# Altium PCB Hydrophone2012.PcbDoc (part 1 of 3) (continued)
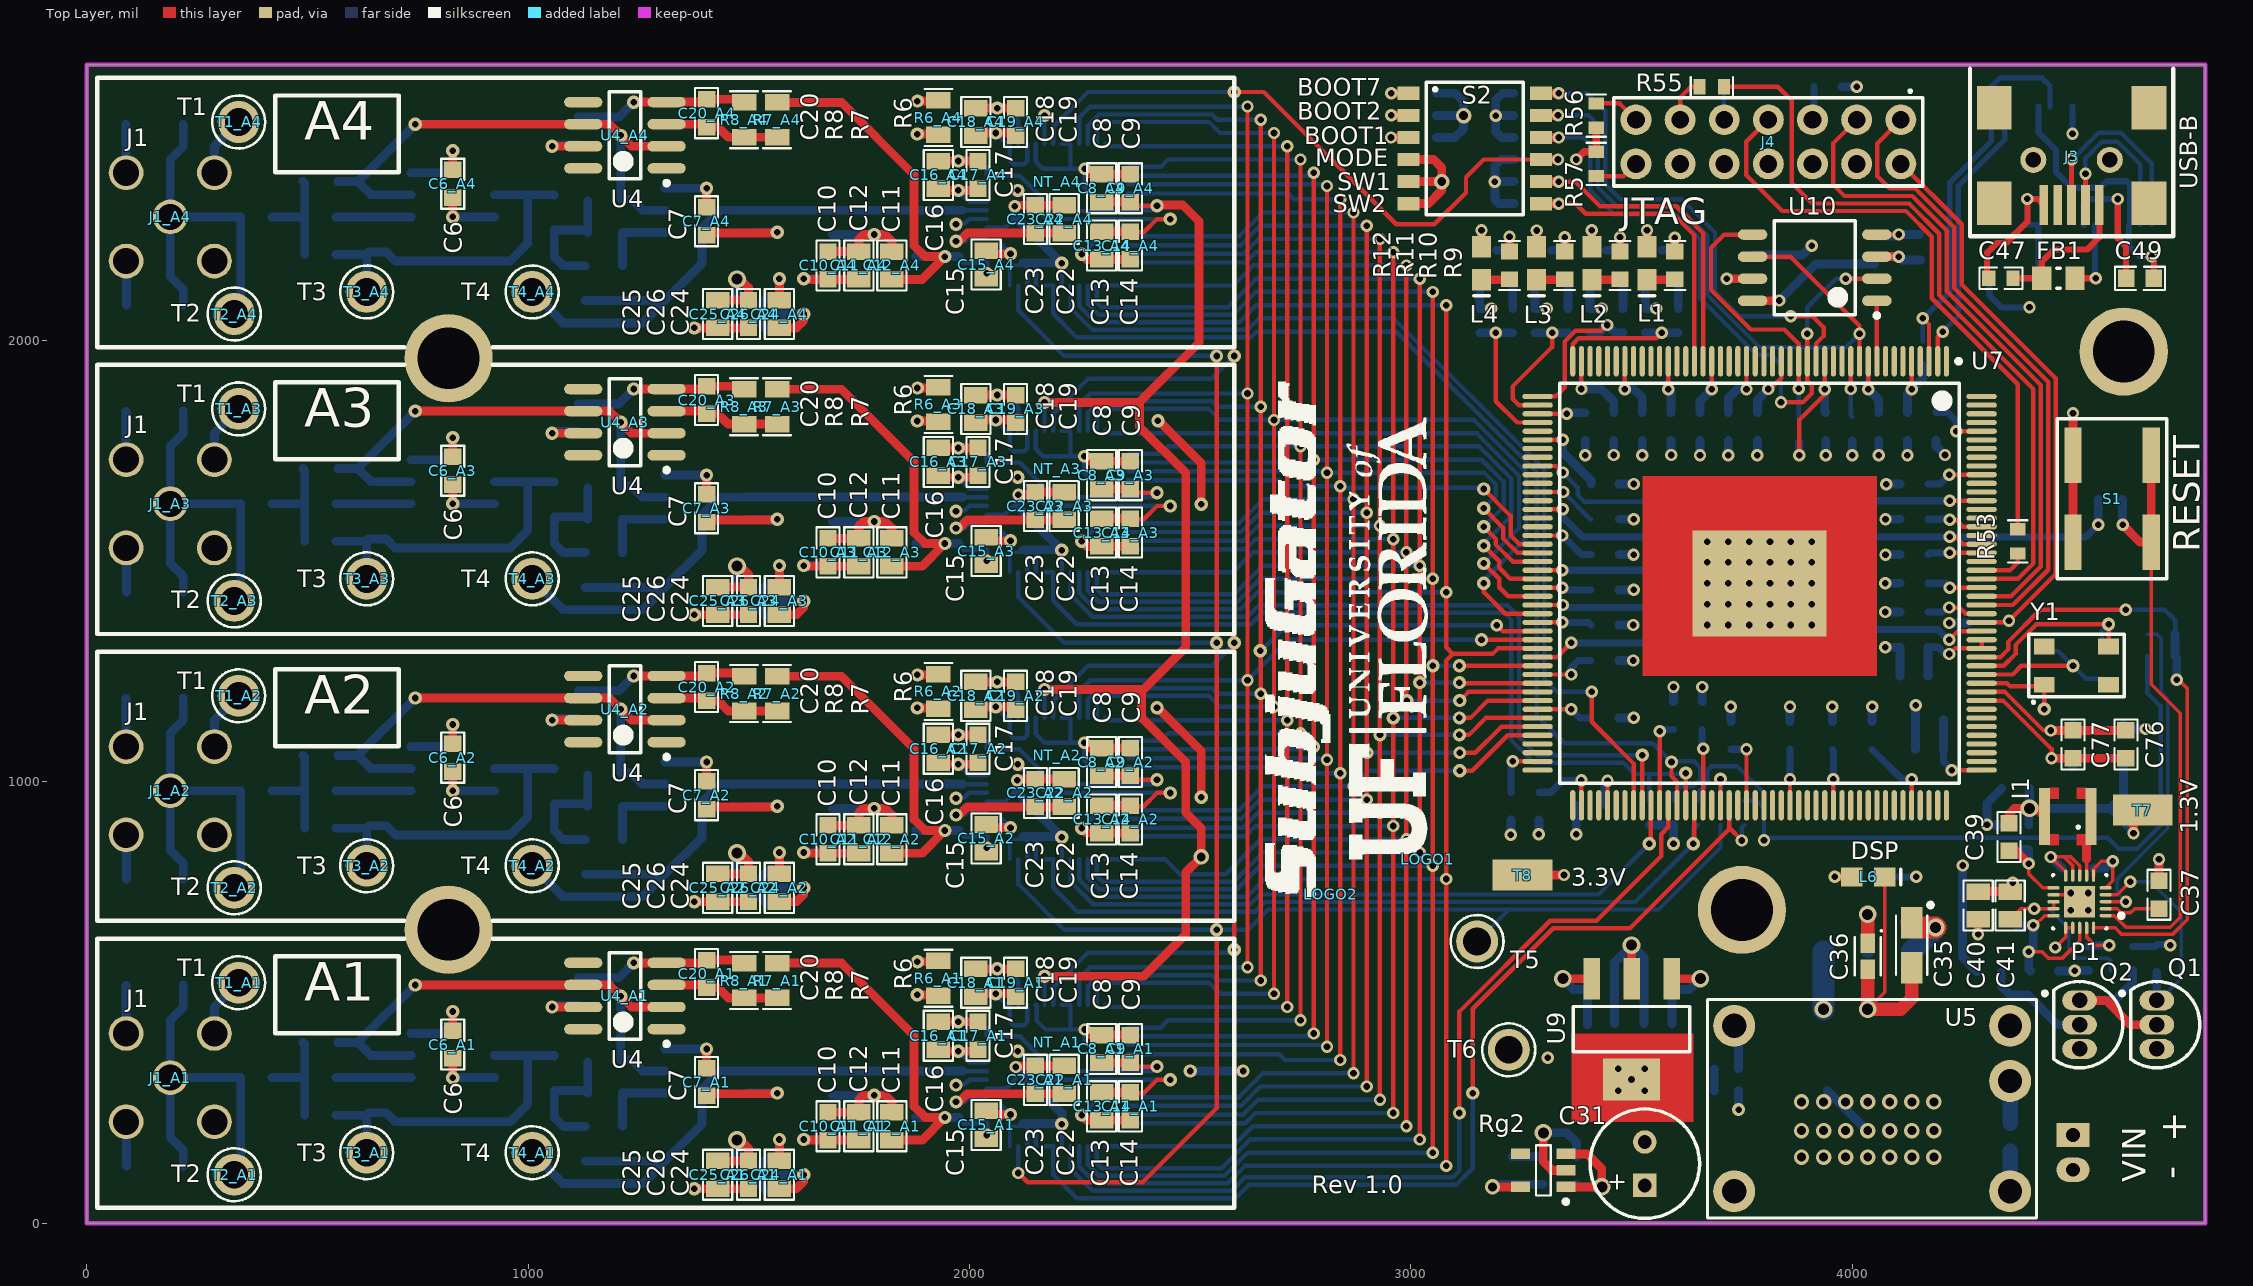
[diagram p0: Top Layer view]
## Components (designator, comment, footprint, x,y, rotation, side; value= is the part's Value field where it differs from the comment)
A_A1 "AD7612" "LQFP-48N - ADC" 2199.5,335 r270 bottom (schematic designator A)
A_A2 "AD7612" "LQFP-48N - ADC" 2199.5,985 r270 bottom (schematic designator A)
A_A3 "AD7612" "LQFP-48N - ADC" 2199.5,1635 r270 bottom (schematic designator A)
A_A4 "AD7612" "LQFP-48N - ADC" 2199.5,2285 r270 bottom (schematic designator A)
C1_A1 "470pF" CAPC2012XN 529.5,245 r0 bottom (schematic designator C1)
C1_A2 "470pF" CAPC2012XN 529.5,895 r0 bottom (schematic designator C1)
C1_A3 "470pF" CAPC2012XN 529.5,1545 r0 bottom (schematic designator C1)
C1_A4 "470pF" CAPC2012XN 529.5,2195 r0 bottom (schematic designator C1)
C2_A1 "330pF" CAPC2012XN 1209.5,180 r90 bottom (schematic designator C2)
C2_A2 "330pF" CAPC2012XN 1209.5,830 r90 bottom (schematic designator C2)
C2_A3 "330pF" CAPC2012XN 1209.5,1480 r90 bottom (schematic designator C2)
C2_A4 "330pF" CAPC2012XN 1209.5,2130 r90 bottom (schematic designator C2)
C3_A1 "10nF" CAPC2012XN 384.5,330 r0 bottom (schematic designator C3)
C3_A2 "10nF" CAPC2012XN 384.5,980 r0 bottom (schematic designator C3)
C3_A3 "10nF" CAPC2012XN 384.5,1630 r0 bottom (schematic designator C3)
C3_A4 "10nF" CAPC2012XN 384.5,2280 r0 bottom (schematic designator C3)
C4_A1 "3.3nF" CAPC2012XN 529.5,330 r0 bottom (schematic designator C4)
C4_A2 "3.3nF" CAPC2012XN 529.5,980 r0 bottom (schematic designator C4)
C4_A3 "3.3nF" CAPC2012XN 529.5,1630 r0 bottom (schematic designator C4)
C4_A4 "3.3nF" CAPC2012XN 529.5,2280 r0 bottom (schematic designator C4)
C5_A1 "6.8n" CAPC2012XN 1174.5,370 r0 bottom (schematic designator C5)
C5_A2 "6.8n" CAPC2012XN 1174.5,1020 r0 bottom (schematic designator C5)
C5_A3 "6.8n" CAPC2012XN 1174.5,1670 r0 bottom (schematic designator C5)
C5_A4 "6.8n" CAPC2012XN 1174.5,2320 r0 bottom (schematic designator C5)
C6_A1 ".1uF" CAPC1608XN 829.5,405 r90 top (schematic designator C6)
C6_A2 ".1uF" CAPC1608XN 829.5,1055 r90 top (schematic designator C6)
C6_A3 ".1uF" CAPC1608XN 829.5,1705 r90 top (schematic designator C6)
C6_A4 ".1uF" CAPC1608XN 829.5,2355 r90 top (schematic designator C6)
C7_A1 ".1uF" CAPC1608XN 1404.5,320 r270 top (schematic designator C7)
C7_A2 ".1uF" CAPC1608XN 1404.5,970 r270 top (schematic designator C7)
C7_A3 ".1uF" CAPC1608XN 1404.5,1620 r270 top (schematic designator C7)
C7_A4 ".1uF" CAPC1608XN 1404.5,2270 r270 top (schematic designator C7)
C8_A1 "10uF" CAPC2012XL 2299.5,395 r270 top (schematic designator C8)
C8_A2 "10uF" CAPC2012XL 2299.5,1045 r270 top (schematic designator C8)
C8_A3 "10uF" CAPC2012XL 2299.5,1695 r270 top (schematic designator C8)
C8_A4 "10uF" CAPC2012XL 2299.5,2345 r270 top (schematic designator C8)
C9_A1 ".1uF" CAPC1608XN 2364.5,395 r270 top (schematic designator C9)
C9_A2 ".1uF" CAPC1608XN 2364.5,1045 r270 top (schematic designator C9)
C9_A3 ".1uF" CAPC1608XN 2364.5,1695 r270 top (schematic designator C9)
C9_A4 ".1uF" CAPC1608XN 2364.5,2345 r270 top (schematic designator C9)
C10_A1 ".1uF" CAPC1608XN 1679.5,220 r90 top (schematic designator C10)
C10_A2 ".1uF" CAPC1608XN 1679.5,870 r90 top (schematic designator C10)
C10_A3 ".1uF" CAPC1608XN 1679.5,1520 r90 top (schematic designator C10)
C10_A4 ".1uF" CAPC1608XN 1679.5,2170 r90 top (schematic designator C10)
C11_A1 "10uF" CAPC2012XL 1749.5,220 r270 top (schematic designator C11)
C11_A2 "10uF" CAPC2012XL 1749.5,870 r270 top (schematic designator C11)
C11_A3 "10uF" CAPC2012XL 1749.5,1520 r270 top (schematic designator C11)
C11_A4 "10uF" CAPC2012XL 1749.5,2170 r270 top (schematic designator C11)
C12_A1 "10uF" CAPC2012XL 1824.5,220 r270 top (schematic designator C12)
C12_A2 "10uF" CAPC2012XL 1824.5,870 r270 top (schematic designator C12)
C12_A3 "10uF" CAPC2012XL 1824.5,1520 r270 top (schematic designator C12)
C12_A4 "10uF" CAPC2012XL 1824.5,2170 r270 top (schematic designator C12)
C13_A1 "10uF" CAPC2012XL 2299.5,265 r90 top (schematic designator C13)
C13_A2 "10uF" CAPC2012XL 2299.5,915 r90 top (schematic designator C13)
C13_A3 "10uF" CAPC2012XL 2299.5,1565 r90 top (schematic designator C13)
C13_A4 "10uF" CAPC2012XL 2299.5,2215 r90 top (schematic designator C13)
C14_A1 ".1uF" CAPC1608XN 2364.5,265 r90 top (schematic designator C14)
C14_A2 ".1uF" CAPC1608XN 2364.5,915 r90 top (schematic designator C14)
C14_A3 ".1uF" CAPC1608XN 2364.5,1565 r90 top (schematic designator C14)
C14_A4 ".1uF" CAPC1608XN 2364.5,2215 r90 top (schematic designator C14)
C15_A1 "47uF Tantalum" CAPC2012XL 2038,223 r270 top (schematic designator C15)
C15_A2 "47uF Tantalum" CAPC2012XL 2038,872 r270 top (schematic designator C15)
C15_A3 "47uF Tantalum" CAPC2012XL 2038,1523 r270 top (schematic designator C15)
C15_A4 "47uF Tantalum" CAPC2012XL 2038,2172 r270 top (schematic designator C15)
C16_A1 "10uF" CAPC2012XL 1929.5,425 r270 top (schematic designator C16)
C16_A2 "10uF" CAPC2012XL 1929.5,1075 r270 top (schematic designator C16)
C16_A3 "10uF" CAPC2012XL 1929.5,1725 r270 top (schematic designator C16)
C16_A4 "10uF" CAPC2012XL 1929.5,2375 r270 top (schematic designator C16)
C17_A1 ".1uF" CAPC1608XN 2019.5,425 r270 top (schematic designator C17)
C17_A2 ".1uF" CAPC1608XN 2019.5,1075 r270 top (schematic designator C17)
C17_A3 ".1uF" CAPC1608XN 2019.5,1725 r270 top (schematic designator C17)
C17_A4 ".1uF" CAPC1608XN 2019.5,2375 r270 top (schematic designator C17)
C18_A1 "10uF" CAPC2012XL 2014.5,545 r90 top (schematic designator C18)
C18_A2 "10uF" CAPC2012XL 2014.5,1195 r90 top (schematic designator C18)
C18_A3 "10uF" CAPC2012XL 2014.5,1845 r90 top (schematic designator C18)
C18_A4 "10uF" CAPC2012XL 2014.5,2495 r90 top (schematic designator C18)
C19_A1 ".1uF" CAPC1608XN 2104.5,545 r90 top (schematic designator C19)
C19_A2 ".1uF" CAPC1608XN 2104.5,1195 r90 top (schematic designator C19)
C19_A3 ".1uF" CAPC1608XN 2104.5,1845 r90 top (schematic designator C19)
C19_A4 ".1uF" CAPC1608XN 2104.5,2495 r90 top (schematic designator C19)
C20_A1 ".1uF" CAPC1608XN 1404.5,565 r270 top (schematic designator C20)
C20_A2 ".1uF" CAPC1608XN 1404.5,1215 r270 top (schematic designator C20)
C20_A3 ".1uF" CAPC1608XN 1404.5,1865 r270 top (schematic designator C20)
C20_A4 ".1uF" CAPC1608XN 1404.5,2515 r270 top (schematic designator C20)
C21_A1 ".1uF" CAPC1608XN 1114.5,525 r90 bottom (schematic designator C21)
C21_A2 ".1uF" CAPC1608XN 1114.5,1175 r90 bottom (schematic designator C21)
C21_A3 ".1uF" CAPC1608XN 1114.5,1825 r90 bottom (schematic designator C21)
C21_A4 ".1uF" CAPC1608XN 1114.5,2475 r90 bottom (schematic designator C21)
C22_A1 "10uF" CAPC2012XL 2214.5,325 r270 top (schematic designator C22)
C22_A2 "10uF" CAPC2012XL 2214.5,975 r270 top (schematic designator C22)
C22_A3 "10uF" CAPC2012XL 2214.5,1625 r270 top (schematic designator C22)
C22_A4 "10uF" CAPC2012XL 2214.5,2275 r270 top (schematic designator C22)
C23_A1 ".1uF" CAPC1608XN 2149.5,325 r270 top (schematic designator C23)
C23_A2 ".1uF" CAPC1608XN 2149.5,975 r270 top (schematic designator C23)
C23_A3 ".1uF" CAPC1608XN 2149.5,1625 r270 top (schematic designator C23)
C23_A4 ".1uF" CAPC1608XN 2149.5,2275 r270 top (schematic designator C23)
C24_A1 "10uF" CAPC2012XL 1569.5,110 r90 top (schematic designator C24)
C24_A2 "10uF" CAPC2012XL 1569.5,760 r90 top (schematic designator C24)
C24_A3 "10uF" CAPC2012XL 1569.5,1410 r90 top (schematic designator C24)
C24_A4 "10uF" CAPC2012XL 1569.5,2060 r90 top (schematic designator C24)
C25_A1 "10uF" CAPC2012XL 1429.5,110 r90 top (schematic designator C25)
C25_A2 "10uF" CAPC2012XL 1429.5,760 r90 top (schematic designator C25)
C25_A3 "10uF" CAPC2012XL 1429.5,1410 r90 top (schematic designator C25)
C25_A4 "10uF" CAPC2012XL 1429.5,2060 r90 top (schematic designator C25)
C26_A1 ".1uF" CAPC1608XN 1499.5,110 r90 top (schematic designator C26)
C26_A2 ".1uF" CAPC1608XN 1499.5,760 r90 top (schematic designator C26)
C26_A3 ".1uF" CAPC1608XN 1499.5,1410 r90 top (schematic designator C26)
C26_A4 ".1uF" CAPC1608XN 1499.5,2060 r90 top (schematic designator C26)
C27 "10uF" CAPC2012XL 3375,120 r270 bottom
C28 "10uF" CAPC2012XL 3300,120 r270 bottom
C29 ".1uF" CAPC1608XN 3230,120 r270 bottom
C30 "2.2uF" CAPC2012XL 4357.5,195 r90 bottom
C31 "150uF" CAPPR2.5-6.3x11 3530,135 r90 top
C32 "10uF" CAPC2012XL 4515,805 r180 bottom
C33 "2.2uF" CAPC1608XN 4363.31,715 r270 bottom
C34 "2.2uF" CAPC1608XN 4435,571.54 r180 bottom
C35 "10uF Tant  1206" CAPMP3216XN 4134.49,630 r270 top
C36 "10uF Tant" CAPMP2012XL 4035,605 r270 top
C37 ".1uF" CAPC1608XN 4695,744.25 r90 top
C38 "10uF" CAPC2012XL 4370,985 r0 bottom
C39 "22pF" CAPC1608XN 4355,875 r90 top
C40 "10uF" CAPC2012XL 4285,720 r270 top
C41 "10uF" CAPC2012XL 4357.5,720 r270 top
C42 "47uF Tant" CAPMP2012XL 3560,450 r180 bottom
C43 "47uF Tant" CAPMP2012XL 3430,450 r0 bottom
C44 ".1uF" CAPC1608XN 3560,530 r0 bottom
C45 ".1uF" CAPC1608XN 3430,530 r180 bottom
C46 "13pF" CAPC2012XL 4440,1265 r270 bottom
C47 ".01uF" CAPC1608XL 4336.8,2140.86 r0 top
C48 "13pF" CAPC2012XL 4565,1265 r90 bottom
C49 ".1uF" CAPC1608XN 4651.8,2140.86 r0 top
C50 ".1uF" CAPC1608XN 4341.8,2140.86 r180 bottom
C51 "1uF" CAPC1608XN 4473.41,2140.86 r0 bottom
C52 ".1uF" CAPC1608XN 4190,1805 r90 bottom
C53 ".1uF" CAPC1608XN 3940,1805 r90 bottom
C54 ".1uF" CAPC1608XN 3719.13,1805 r90 bottom
C55 ".1uF" CAPC1608XN 3589.53,1805 r90 bottom
C56 ".1uF" CAPC1608XN 3459.53,1805 r90 bottom
C57 ".1uF" CAPC1608XN 3395,1805 r90 bottom
C58 ".1uF" CAPC1608XN 3570,1635 r180 bottom
C59 ".1uF" CAPC1608XN 3570,1555 r180 bottom
C60 ".1uF" CAPC1608XN 4140,1385 r0 bottom
C61 ".1uF" CAPC1608XN 4125,1805 r90 bottom
C62 ".1uF" CAPC1608XN 3570,1475 r180 bottom
C63 ".1uF" CAPC1608XN 3440,1355.51 r180 bottom
C64 ".1uF" CAPC1608XN 3570,1315 r180 bottom
C65 ".1uF" CAPC1608XN 3440,1145 r180 bottom
C66 ".1uF" CAPC1608XN 3226.65,945 r90 bottom
C67 ".1uF" CAPC1608XN 3595,1150 r270 bottom
C68 ".1uF" CAPC1608XN 4140,1515 r0 bottom
C69 ".1uF" CAPC1608XN 3290,945 r90 bottom
C70 ".1uF" CAPC1608XN 3725,1105.51 r270 bottom
C71 ".1uF" CAPC1608XN 3955,1105 r270 bottom
C72 ".1uF" CAPC1608XN 4045,1105 r270 bottom
C73 ".1uF" CAPC1608XN 4010,1635 r0 bottom
C74 ".1uF" CAPC1608XN 3440,1275 r180 bottom
C75 ".01uF" CAPC1608XN 3406.14,947.05 r0 bottom
C76 ".1uF" CAPC1608XN 4620,1085 r270 top
C77 ".01uF" CAPC1608XN 4500,1085 r270 top
C78 ".1uF" CAPC1608XN 4060,1805 r90 bottom
C79 ".1uF" CAPC1608XN 3785,1805 r90 bottom
C80 ".1uF" CAPC1608XN 3655,1805 r90 bottom
C81 ".1uF" CAPC1608XN 3524.25,1805 r90 bottom
C82 ".1uF" CAPC1608XN 3440,1675 r180 bottom
C83 ".1uF" CAPC1608XN 3440.51,1595 r180 bottom
C84 ".1uF" CAPC1608XN 3440.51,1515 r180 bottom
C85 ".1uF" CAPC1608XN 3570,1395 r180 bottom
C86 ".1uF" CAPC1608XN 4140,1240 r0 bottom
C87 ".01uF" CAPC1608XN 4140,1305 r0 bottom
C88 ".1uF" CAPC1608XN 4050.75,2205 r90 bottom
C89 ".1uF" CAPC1608XN 3440,1435 r180 bottom
C90 ".1uF" CAPC1608XN 3660,1150 r270 bottom
C91 ".1uF" CAPC1608XN 3858.9,1105.51 r270 bottom
C92 ".1uF" CAPC1608XN 4140,1674.69 r0 bottom
C93 ".1uF" CAPC1608XN 4010,1345 r0 bottom
C94 ".1uF" CAPC1608XN 4140,1450 r0 bottom
C95 ".1uF" CAPC1608XN 4010,1555 r0 bottom
C96 ".1uF" CAPC1608XN 4140,1595 r0 bottom
C97 ".1uF" CAPC1608XN 3945,2575 r180 bottom
C98 ".1uF" CAPC1608XN 4175,1140 r0 bottom
C99 ".01uF" CAPC1608XN 4175,1074.02 r0 bottom
D1_A1 "1N4148" MCC-SOD123 154.5,530 r0 bottom (schematic designator D1)
D1_A2 "1N4148" MCC-SOD123 154.5,1180 r0 bottom (schematic designator D1)
D1_A3 "1N4148" MCC-SOD123 154.5,1830 r0 bottom (schematic designator D1)
D1_A4 "1N4148" MCC-SOD123 154.5,2480 r0 bottom (schematic designator D1)
D2_A1 "1N4148" MCC-SOD123 154.5,130 r180 bottom (schematic designator D2)
D2_A2 "1N4148" MCC-SOD123 154.5,780 r180 bottom (schematic designator D2)
D2_A3 "1N4148" MCC-SOD123 154.5,1430 r180 bottom (schematic designator D2)
D2_A4 "1N4148" MCC-SOD123 154.5,2080 r180 bottom (schematic designator D2)
FB1 "FERRITE" RESC2012X06N/0805 4466.8,2140.86 r0 top
FB2 "FERRITE 50" RESC3116X06N/1206 4557.44,1035 r0 bottom
FB3 "FERRITE 50" RESC3116X06N/1206 4557.44,1130 r0 bottom
I1 "2.2H" LPS3015 4435.83,921.5 r180 top
J1_A1 "MCX_Female_RA" MCX_Female 189.5,330 r0 top (schematic designator J1)
J1_A2 "MCX_Female_RA" MCX_Female 189.5,980 r0 top (schematic designator J1)
J1_A3 "MCX_Female_RA" MCX_Female 189.5,1630 r0 top (schematic designator J1)
J1_A4 "MCX_Female_RA" MCX_Female 189.5,2280 r0 top (schematic designator J1)
J2 "2-pin Horz Sherlock" MOLEX-HDR-1X2-SHERLOCK-HORZ 4500,200.07 r90 bottom
J3 "USB-B" USB-MiniB-90 4496.8,2615.86 r270 top
J4 "JTAG HEADER" "JTAG HEADER - 14" 4110,2500 r180 top
L1 "LED-RED" LED0805-RED 3535,2175 r90 top
L2 "LED-RED" LED0805-RED 3410,2175 r90 top
L3 "LED-RED" LED0805-RED 3285,2175 r90 top
L4 "LED-RED" LED0805-RED 3160,2175 r90 top
L6 "LED-GREEN" LED0805-GREEN 4036.06,785 r180 top
LOGO1 "UF LOGO" "UF LOGO-1000" 3038,825 r90 top
LOGO2 "SubjuGator Logo" SubjuGator-1200 2818,745 r90 top
MIL "MIL LOGO" "MIL LOGO - 600P" 3131,151 r180 bottom
NC1 "NC" RESC1608XN 4700,1335 r180 bottom
NT1 "Net Tie SMT" "NetTie 10 mil" 3950,1985 r0 bottom net-tie
NT2 "Net Tie SMT" "NetTie 10 mil" 3878.58,1850 r90 bottom net-tie
NT3 "Net Tie SMT" "NetTie 10 mil" 3838.5,1905 r270 bottom net-tie
NT_A1 "Net Tie SMT" "NetTie 35 mil" 2229.03,410 r180 top net-tie (schematic designator NT)
NT_A2 "Net Tie SMT" "NetTie 35 mil" 2229.03,1060 r180 top net-tie (schematic designator NT)
NT_A3 "Net Tie SMT" "NetTie 35 mil" 2229.5,1710 r180 top net-tie (schematic designator NT)
NT_A4 "Net Tie SMT" "NetTie 35 mil" 2229.5,2360 r180 top net-tie (schematic designator NT)
P1 "TPS650061" QFN4-20N 4515,728.5 r180 top
Q1 "P2N2222" TO-92A 4690,450 r180 top
Q2 "P2N2222" TO-92A 4515,450 r180 top
Q3 "BSS138" SOT95P237X111-3L 3568.5,2165 r90 bottom
Q4 "BSS138" SOT95P237X111-3L 3443.5,2165 r90 bottom
Q5 "BSS138" SOT95P237X111-3L 3318.5,2165 r90 bottom
Q6 "BSS138" SOT95P237X111-3L 3193.5,2165 r90 bottom
R1_A1 "1.2k" RESC2012XN 1129.5,180 r90 bottom (schematic designator R1)
R1_A2 "1.2k" RESC2012XN 1129.5,830 r90 bottom (schematic designator R1)
R1_A3 "1.2k" RESC2012XN 1129.5,1480 r90 bottom (schematic designator R1)
R1_A4 "1.2k" RESC2012XN 1129.5,2130 r90 bottom (schematic designator R1)
R2_A1 "100k" RESC2012XN 639.5,290 r90 bottom (schematic designator R2)
R2_A2 "100k" RESC2012XN 639.5,940 r90 bottom (schematic designator R2)
R2_A3 "100k" RESC2012XN 639.5,1590 r90 bottom (schematic designator R2)
R2_A4 "100k" RESC2012XN 639.5,2240 r90 bottom (schematic designator R2)
R3_A1 "240" RESC2012XN 1059.5,340 r90 bottom (schematic designator R3)
R3_A2 "240" RESC2012XN 1059.5,990 r90 bottom (schematic designator R3)
R3_A3 "240" RESC2012XN 1059.5,1640 r90 bottom (schematic designator R3)
R3_A4 "240" RESC2012XN 1059.5,2290 r90 bottom (schematic designator R3)
R4_A1 "953" RESC2012XN 1174.5,295 r180 bottom (schematic designator R4)
R4_A2 "953" RESC2012XN 1174.5,945 r180 bottom (schematic designator R4)
R4_A3 "953" RESC2012XN 1174.5,1595 r180 bottom (schematic designator R4)
R4_A4 "953" RESC2012XN 1174.5,2245 r180 bottom (schematic designator R4)
R5_A1 "1.69k" RESC2012XN 529.5,410 r180 bottom (schematic designator R5)
R5_A2 "1.69k" RESC2012XN 529.5,1060 r180 bottom (schematic designator R5)
R5_A3 "1.69k" RESC2012XN 529.5,1710 r180 bottom (schematic designator R5)
R5_A4 "1.69k" RESC2012XN 529.5,2360 r180 bottom (schematic designator R5)
R6_A1 "27" RESC2012XN 1929.5,555 r90 top (schematic designator R6)
R6_A2 "27" RESC2012XN 1929.5,1205 r90 top (schematic designator R6)
R6_A3 "27" RESC2012XN 1929.5,1855 r90 top (schematic designator R6)
R6_A4 "27" RESC2012XN 1929.5,2505 r90 top (schematic designator R6)
R7_A1 "1k" RESC2012XN 1564.5,550 r270 top (schematic designator R7)
R7_A2 "1k" RESC2012XN 1564.5,1200 r270 top (schematic designator R7)
R7_A3 "1k" RESC2012XN 1564.5,1850 r270 top (schematic designator R7)
R7_A4 "1k" RESC2012XN 1564.5,2500 r270 top (schematic designator R7)
R8_A1 "1k" RESC2012XN 1489.5,550 r90 top (schematic designator R8)
R8_A2 "1k" RESC2012XN 1489.5,1200 r90 top (schematic designator R8)
R8_A3 "1k" RESC2012XN 1489.5,1850 r90 top (schematic designator R8)
R8_A4 "1k" RESC2012XN 1489.5,2500 r90 top (schematic designator R8)
R9 "470" RESC1608XN 3598.03,2170 r270 top
R10 "470" RESC1608XN 3473.7,2170 r270 top
R11 "470" RESC1608XN 3348.5,2170 r270 top
R12 "470" RESC1608XN 3223.5,2170 r270 top
R14 "1k" RESC1608XL 3605.91,2045 r90 bottom
R15 "1.3k" RESC1608XL 3715,350 r180 bottom
R16 "6.81k" RESC1608XL 3715,300 r180 bottom
R17 "976k" RESC1608XL 4585,600 r90 bottom
R18 "232k" RESC1608XL 4535,600 r270 bottom
R19 "47.5k" RESC1608XN 4700,1285 r180 bottom
R20 "475k" RESC1608XL 4400,874.84 r90 bottom
R21 "402k" RESC1608XL 4350,875 r90 bottom
R22 "100k" RESC1608XL 4635,600 r90 bottom
R23 "47.5k" RESC1608XN 4690,600 r90 bottom
R24 "475k" RESC1608XL 4310,570 r180 bottom
R25 "10k" RESC1608XL 4585,1640 r180 bottom
R26 "1k" RESC1608XL 3880,1795.43 r270 bottom
R27 "1k" RESC1608XL 4000,1800 r270 bottom
R28 "20k" RESC1608XL 4160,1970 r90 bottom
R29 "10k" RESC1608XL 4155,2210 r90 bottom
R30 "10k" RESC1608XL 3775,2165.91 r90 bottom
R31 "4.7k" RESC1608XL 4290,1360 r180 bottom
R32 "1k" RESC1608XL 3030,2560 r180 bottom
R33 "1k" RESC1608XL 3030,2509.53 r180 bottom
R34 "1k" RESC1608XL 3030,2460 r180 bottom
R35 "20k" RESC1608XL 3260,2560 r180 bottom
R36 "20k" RESC1608XL 3260,2509.53 r180 bottom
R37 "20k" RESC1608XL 3261.06,2460 r180 bottom
R38 "20k" RESC1608XL 3262,2410 r180 bottom
R39 "20k" RESC1608XL 3262,2360 r180 bottom
R40 "20k" RESC1608XL 3262,2310 r180 bottom
R41 "20k" RESC1608XL 3755,930 r90 bottom
R42 "1k" RESC1608XL 3595,930 r270 bottom
R43 "1k" RESC1608XL 3540,930 r270 bottom
R44 "1k" RESC1608XL 3650,930 r90 bottom
R45 "49.9" RESC1608XL 3701.42,930 r90 bottom
R46 "1k" RESC1608XL 3480.91,2045 r90 bottom
R47 "1k" RESC1608XL 3355.91,2045 r90 bottom
R48 "1k" RESC1608XL 3230.91,2045 r90 bottom
R49 "10k" RESC1608XL 3531.1,2045 r90 bottom
R50 "10k" RESC1608XL 3406.1,2045 r90 bottom
R51 "10k" RESC1608XL 3281.1,2045 r90 bottom
R52 "10k" RESC1608XL 3156.1,2045 r90 bottom
R53 "22" RESC1608XL 4374.84,1545 r90 top
R54 "22" RESC1608XL 3681.73,2575 r0 bottom
R55 "22" RESC1608XL 3681.73,2575 r180 top
R56 "4.7k" RESC1608XL 3420,2509.53 r90 top
R57 "4.7k" RESC1608XL 3420,2400 r270 top
R58 "470" RESC1608XN 4036.06,785 r0 bottom
Rg1_A1 "LP2981A-5" TI-SOT-23_5N 1524.5,110 r180 bottom (schematic designator Rg1)
Rg1_A2 "LP2981A-5" TI-SOT-23_5N 1524.5,760 r180 bottom (schematic designator Rg1)
Rg1_A3 "LP2981A-5" TI-SOT-23_5N 1524.5,1410 r180 bottom (schematic designator Rg1)
Rg1_A4 "LP2981A-5" TI-SOT-23_5N 1524.5,2060 r180 bottom (schematic designator Rg1)
Rg2 "LP2981A-5" TI-SOT-23_5N 3300,120 r180 top
S1 "PBSW" PBSW 4500,1740 r270 top
S2 "SW DIP-6" DIPSW-6 2995,2560 r270 top
T1_A1 "TEST" KEYSTONE-TEST-POINT 344.5,545 r0 top (schematic designator T1)
T1_A2 "TEST" KEYSTONE-TEST-POINT 344.5,1195 r0 top (schematic designator T1)
T1_A3 "TEST" KEYSTONE-TEST-POINT 344.5,1845 r0 top (schematic designator T1)
T1_A4 "TEST" KEYSTONE-TEST-POINT 344.5,2495 r0 top (schematic designator T1)
T2_A1 "TEST" KEYSTONE-TEST-POINT 334.5,110 r0 top (schematic designator T2)
T2_A2 "TEST" KEYSTONE-TEST-POINT 334.5,760 r0 top (schematic designator T2)
T2_A3 "TEST" KEYSTONE-TEST-POINT 334.5,1410 r0 top (schematic designator T2)
T2_A4 "TEST" KEYSTONE-TEST-POINT 334.5,2060 r0 top (schematic designator T2)
T3_A1 "TEST" KEYSTONE-TEST-POINT 634.5,160 r0 top (schematic designator T3)
T3_A2 "TEST" KEYSTONE-TEST-POINT 634.5,810 r0 top (schematic designator T3)
T3_A3 "TEST" KEYSTONE-TEST-POINT 634.5,1460 r0 top (schematic designator T3)
T3_A4 "TEST" KEYSTONE-TEST-POINT 634.5,2110 r0 top (schematic designator T3)
T4_A1 "TEST" KEYSTONE-TEST-POINT 1009.5,160 r0 top (schematic designator T4)
T4_A2 "TEST" KEYSTONE-TEST-POINT 1009.5,810 r0 top (schematic designator T4)
T4_A3 "TEST" KEYSTONE-TEST-POINT 1009.5,1460 r0 top (schematic designator T4)
T4_A4 "TEST" KEYSTONE-TEST-POINT 1009.5,2110 r0 top (schematic designator T4)
T5 "TEST" KEYSTONE-TEST-POINT 3150,638.46 r0 top
T6 "TEST" KEYSTONE-TEST-POINT 3222,393 r0 top
T7 "TEST MINI" "TEST-POINT - 5015" 4658,936 r180 top
T8 "TEST MINI" "TEST-POINT - 5015" 3253,789 r180 top
U1_A1 "TI-opamp-OPA365" TI-SOIC1-8N 829.5,355 r0 bottom (schematic designator U1)
U1_A2 "TI-opamp-OPA365" TI-SOIC1-8N 829.5,1005 r0 bottom (schematic designator U1)
U1_A3 "TI-opamp-OPA365" TI-SOIC1-8N 829.5,1655 r0 bottom (schematic designator U1)
U1_A4 "TI-opamp-OPA365" TI-SOIC1-8N 829.5,2305 r0 bottom (schematic designator U1)